# Altium PCB PCB_control_unit_2.PcbDoc (part 2 of 2)
Units mm, origin at the board's own origin, x right, y up, seen from the top; angles counter-clockwise.
Board outline 61.5 x 45 mm, 4 copper layers (Top Layer, INT1, INT2, Bottom Layer), stack 1.422 mm thick; 111 components, 75 nets, 374 pads, 137 vias.
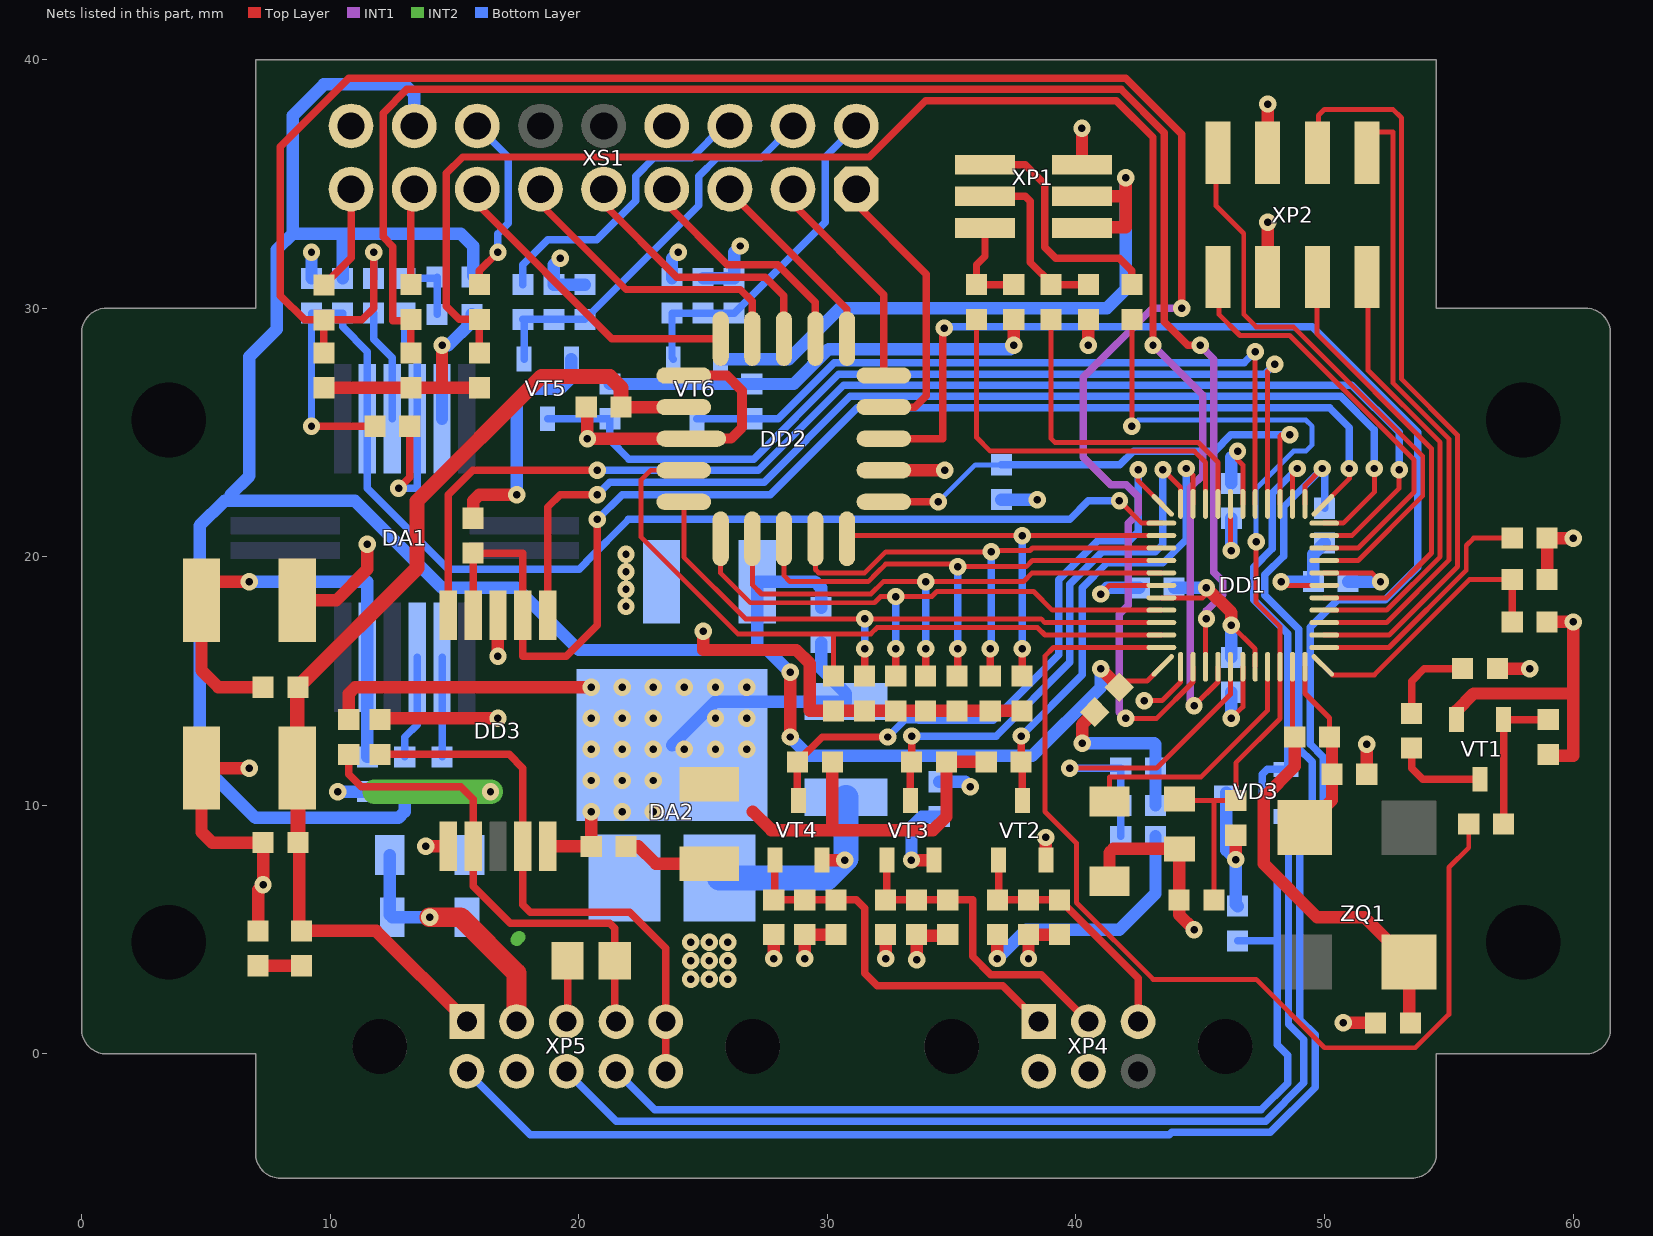
[diagram p4: the nets of this part, all layers, seen from the top]

## Part data
C1 C30: library part Tantal_A, Manufacturer=Элеконд, Package="case A (3216)", PartNumber="К53-68 \"А\"-10 В-4.7 мкф", Temperature=-55...+125°C, Tolerance=±10%, TypeCapacitor="Tantalum capacitor", TypeDielectric=X7R, Voltage=10V, HelpURL=https://www.digikey.com/product-detail/en/avx-corporation/F930J107KAAAJ6/478-12404-1-ND/9645231, Impedance=2Ohm, MAX=00130629, ValueManufacturerPartNumber="Tantalum capacitor, 4.7мк, 10V, ±10%, 2Ohm, case A (3216), -55...+125°C"
C2 C3: library part Ceramic_0603, Manufacturer=Монолит, Package=0603, PartNumber="К10-84в-1608М-50В-10 пФ ±5%-МП0-N-A", Temperature=-55...+125°C, Tolerance=±5%, TypeCapacitor="Ceramic capacitor", TypeDielectric=МП0, Voltage=50V, Analog="00133079 (pin-to-pin)", ValueManufacturerPartNumber="Ceramic capacitor, 10, МП0, ±5%, 50V, 0603, -55...+125°C"
C4 C5 C6 C7 C9 C10 C11 C13 C14 C15 C18 C22 C27: library part Ceramic_0603, Manufacturer=Гириконд, Package=0603, PartNumber="К10-79-10В-0,1 мкФ +80-20% H90", Temperature=-55...+125°C, Tolerance=+80-20%, TypeCapacitor="Ceramic capacitor", TypeDielectric=H90, Voltage=10V, HelpURL=http://www.giricond.ru/files/k10-79_vp_2018_saiyt.pdf, ValueManufacturerPartNumber="Ceramic capacitor, 0.1мк, H90, +80-20%, 10V, 0603, -55...+125°C"
  C4 C5 C6 C7 C9 C10 C11 C13 C14: MAX=00131675
C8: library part Ceramic_5750M, Manufacturer=Монолит, Package="0805 (2012M)", PartNumber="К10-84в-1608М-25В-220 нФ +80/-20%-Н90-N-A", Temperature=-55...+125°C, Tolerance=+80/-20%, TypeCapacitor="Ceramic capacitor", TypeDielectric=H90, Voltage=25V, Analog="MAX 00131682 (pin-to-pin)", ValueManufacturerPartNumber="Ceramic capacitor, 0.22мк, H90, +80/-20%, 25V, 0805 (2012M), -55...+125°C"
C12 C19 C25 C26 C28 C31 C32: library part Ceramic_0603, Manufacturer=Монолит, Package=0603, PartNumber="К10-84в-1608М-50В-0.01мк ±20%-Н20-N-A", Temperature=-55...+125°C, Tolerance=±20%, TypeCapacitor="Ceramic capacitor", TypeDielectric=H20, Voltage=50V, Analog="MAX 00131676 (pin-to-pin)", HelpURL=http://www.monolit.vitebsk.by/Files/K10-84.pdf, ValueManufacturerPartNumber="Ceramic capacitor, 0.01мк, H20, ±20%, 50V, 0603, -55...+125°C"
C16 C17 C23 C24: library part Ceramic_1812, Manufacturer=Монолит, Package="1812 (4532М) (4.5x3.2)", PartNumber="К10-84в-4532М-25В-4,7 мкФ +80/-20%-Н90-N-A", Temperature=-55...+125°C, Tolerance="+80 -20%", TypeCapacitor="Ceramic capacitor", TypeDielectric=H90, Voltage=25V, HelpURL=http://www.monolit.vitebsk.by/Files/K10-84.pdf, ValueManufacturerPartNumber="Ceramic capacitor, 4.7мк, H90, +80 -20%, 25V, 1812 (4532М) (4.5x3.2), -55...+125°C"
C20: library part Ceramic_0603, Manufacturer=Монолит, Package="1206 (3216M)", PartNumber="К10-84в-3216М-25В-0,47 мкФ ±10%-Н90-N-A", Tolerance=±10%, TypeCapacitor="Ceramic capacitor", TypeDielectric=Н90, Voltage=25V, Analog="MAX 00150226", HelpURL=http://www.monolit.vitebsk.by/Files/K10-84.pdf, ValueManufacturerPartNumber="Ceramic capacitor, 0.47мк, Н90, ±10%, 25V, 1206 (3216M),"
C21: library part Tantal_B, Manufacturer="\"Элеконд\"", Package="case B (3528)", PartNumber="К53-68 В-10 В-15 мкФ ±10%", Temperature=-55...+125°C, Tolerance=±10%, TypeCapacitor="Tantalum capacitor", Voltage=10V, MAX=00130628, ValueManufacturerPartNumber="Tantalum capacitor, 15мк, 10V, ±10%, , case B (3528), -55...+125°C"
DA1: library part 5545СА2У3, "Comparator USSR", Manufacturer="НПП ВОСТОК", Package=Н04.16-1В, Temperature=-60...+125°C, Analog=LM2903D, ComponentType="IC comparator", HelpURL=http://www.vostok.nsk.su/files/pdf/152181836987_5545ca2u3.pdf, OutputType="Open Drain", PartNumber=5545СА2У3, Supply="от ± 1,5В до ± 16,5В", TY="АЕЯР.431350.632-02 ТУ", ValueManufacturerPartNumber="IC comparator, Open Drain, от ± 1,5В до ± 16,5В, -60...+125°C, Н04.16-1В"
DA2: library part 1325ЕР1У, "Linear voltage regulator 3V3", CurrentOutput=0.8A, Manufacturer=Интеграл, Package=КТ-93-1, PartNumber=1325ЕН3.3У, Temperature=-40...+85°C, VoltageInput="input 4.75...15V", VoltageOutput="output 3.3V", ComponentType="Linear voltage regulator", HelpURL=https://www.integral.by/sites/default/files/pdf/specifikaciya_serii_1325.pdf, MAX=00141284, MaxDropout=1.3V, ValueManufacturerPartNumber="Linear voltage regulator, input 4.75...15V, 1.3V, output 3.3V, 0.8A, -40...+85°C, КТ-93-1"
DD1: library part 1921ВК035, "Cortex-M4F", Manufacturer=НИИЭТ, Package="48-QLCC (МК 5162.48-1)", Temperature=-60...+85°C, ComponentType="Motor control microcontroller", CoreProcessor=RISC, CoreSize=32-Bit, HelpURL=https://niiet.ru/goods/tranzmod/newtr, MemoryRAM=16KB, MemoryROM=64KB, PartNumber=1921ВК035, Speed=100MHz, Supply="3,3 В ± 10 %.", ValueManufacturerPartNumber="Motor control microcontroller, 32-Bit, RISC, 100MHz, 64KB, 16KB, 3,3 В ± 10 %., -60...+85°C, 48-QLCC (МК 5162.48-1)"
DD2: library part 5514БЦ1У2-541, "USSR Buffer QFN", Manufacturer=Анстрем, Package=5121.20-A, Temperature=-60...+125°C, Analog="функц.-й аналог 74(54)HC 541", ComponentType="8 канальный буфер", PartNumber=5514БЦ1У2-541, Supply=4.5..5.5V, ValueManufacturerPartNumber="8 канальный буфер, 4.5..5.5V, -60...+125°C, 5121.20-A"
DD3: "RS485 USSR", Manufacturer=Миландр, Package=Н02.8-1В, DataRate="30 Mbs", HelpURL=https://ic.milandr.ru/products/interfeysnye_mikroskhemy/rs485-rs422/5559in28u/, MAX=00148111, PartNumber=5559ИН28У, Supply=3-5V, Type="RS-485 transceiver"
L1 L2: library part Inductor_0603, Manufacturer=ЭРКОН, MaxCurrent=400mA, Package=0603, PartNumber="КИФ1608-1000 нГн ±20% О-А РКМУ.671340.002 ТУ", Temperature=-55...+125°C, Tolerance=±20%, TypeInductor="Fixed inductor", HelpURL=https://www.erkon-nn.ru/catalog/14/kif-vp/, R="0,8 Ом", ValueManufacturerPartNumber="Fixed inductor, 1мк, ±20%, 0603, 400mA, -55...+125°C"
NT1: library part NetTie
R1: library part Resistor_0603, Manufacturer="ОАО Ресурс", Package=0603, PartNumber="Р1-12-0,1ум.-1~МОм ±5%-М ШКАБ.434110.002 ТУ", Power=0.1W, Temperature=-55...+125°C, Tolerance=±5%, TypeResistor="Resistor film", HelpURL=https://aoresurs.com/catalog/chip_rezistory/rezistory-r1-12-kategoriya-kachestva-vp-/, MAX=00133970, ValueManufacturerPartNumber="Resistor film, 1М, ±5%, 0603, 0.1W, -55...+125°C"
R2 R4 R6: library part Resistor_0603, Manufacturer="ОАО Ресурс", Package=0603, PartNumber="Р1-12-0,1ум.-22~Ом ±5%-М ШКАБ.434110.002 ТУ", Power=0.1W, Temperature=-55...+125°C, Tolerance=±5%, TypeResistor="Resistor film", HelpURL=https://aoresurs.com/catalog/chip_rezistory/rezistory-r1-12-kategoriya-kachestva-vp-/, MAX=00134024, ValueManufacturerPartNumber="Resistor film, 22, ±5%, 0603, 0.1W, -55...+125°C"
R3: library part Resistor_0603, Manufacturer="ОАО Ресурс", Package=0603, PartNumber="Р1-12-0,1ум.-680~Ом ±5%-М ШКАБ.434110.002 ТУ", Power=0.1W, Temperature=-55...+125°C, Tolerance=±5%, TypeResistor="Resistor film", HelpURL=https://aoresurs.com/catalog/chip_rezistory/rezistory-r1-12-kategoriya-kachestva-vp-/, MAX=00134086, ValueManufacturerPartNumber="Resistor film, 680, ±5%, 0603, 0.1W, -55...+125°C"
R5 R7 R8 R9 R11 R12 R13 R14 R15 R16 R17 R20 R22 R25 R26 R29 R32 R33 R35 R36 R38 R39 R40 R41 R45 R47 R49 R50 R50 R51 R52 R54*: library part Resistor_0603, Manufacturer="ОАО Ресурс", Package=0603, PartNumber="Р1-12-0,1ум.-10~кОм ±5%-М ШКАБ.434110.002 ТУ", Power=0.1W, Temperature=-55...+125°C, Tolerance=±5%, TypeResistor="Resistor film", HelpURL=https://aoresurs.com/catalog/chip_rezistory/rezistory-r1-12-kategoriya-kachestva-vp-/, ValueManufacturerPartNumber="Resistor film, 10k, ±5%, 0603, 0.1W, -55...+125°C"
  R5 R7 R8 R9 R50 R51: Analog="MAX 00133985"
  R11 R12 R13 R14 R15 R16 R17 R20 R22 R25 R26 R29 R32 R33 R35 R36 R38 R39 R40 R41 R45 R47 R49 R50 R52 R54*: Analog="MAX 00133986 (1%)"
R10 R53: library part Resistor_0603, Manufacturer="ОАО Ресурс", Package=0603, PartNumber="Р1-12-0,1ум.-100~кОм ±5%-М ШКАБ.434110.002 ТУ", Power=0.1W, Temperature=-55...+125°C, Tolerance=±5%, TypeResistor="Resistor film", Analog="MAX 00122851", HelpURL=https://aoresurs.com/catalog/chip_rezistory/rezistory-r1-12-kategoriya-kachestva-vp-/, ValueManufacturerPartNumber="Resistor film, 100k, ±5%, 0603, 0.1W, -55...+125°C"
R18 R21 R24: library part Resistor_0603, Manufacturer="ОАО Ресурс", Package=0603, PartNumber="Р1-12-0,1ум.-100~Ом ±5%-М ШКАБ.434110.002 ТУ", Power=0.1W, Temperature=-55...+125°C, Tolerance=±5%, TypeResistor="Resistor film", HelpURL=https://aoresurs.com/catalog/chip_rezistory/rezistory-r1-12-kategoriya-kachestva-vp-/, MAX=00133991, ValueManufacturerPartNumber="Resistor film, 100, ±5%, 0603, 0.1W, -55...+125°C"
R19 R27 R30 R31 R34 R37 R42 R44 R46 R48: library part Resistor_0603, Manufacturer="ОАО Ресурс", Package=0603, PartNumber="Р1-12-0,1ум.-1~кОм ±1%-М ШКАБ.434110.002 ТУ", Power=0.1W, Temperature=-55...+125°C, Tolerance=±1%, TypeResistor="Resistor film", HelpURL=https://aoresurs.com/catalog/chip_rezistory/rezistory-r1-12-kategoriya-kachestva-vp-/, MAX=00133971, ValueManufacturerPartNumber="Resistor film, 1k, ±1%, 0603, 0.1W, -55...+125°C"
R23: library part Resistor_0603, Manufacturer="ОАО Ресурс", Package=0603, PartNumber="Р1-12-0,1ум.-4.02~кОм ±1%-М ШКАБ.434110.002 ТУ", Power=0.1W, Temperature=-55...+125°C, Tolerance=±1%, TypeResistor="Resistor film", HelpURL=https://aoresurs.com/catalog/chip_rezistory/rezistory-r1-12-kategoriya-kachestva-vp-/, MAX=00134054, ValueManufacturerPartNumber="Resistor film, 4.02k, ±1%, 0603, 0.1W, -55...+125°C"
R28: library part Resistor_0603, Manufacturer="ОАО Ресурс", Package=0603, PartNumber="Р1-12-0,1ум.-680~кОм ±5%-М ШКАБ.434110.002 ТУ", Power=0.1W, Temperature=-55...+125°C, Tolerance=±5%, TypeResistor="Resistor film", HelpURL=https://aoresurs.com/catalog/chip_rezistory/rezistory-r1-12-kategoriya-kachestva-vp-/, MAX=00134086, ValueManufacturerPartNumber="Resistor film, 680, ±5%, 0603, 0.1W, -55...+125°C"
R43: library part Resistor_0805, Manufacturer=Русские, Package=0805, PartNumber="Р1-12-0.125-120 Ом±5%-М", Power=0.125W, Temperature=-55...+125°C, Tolerance=±5%, TypeResistor="Resistor film", MAX=00133848, ValueManufacturerPartNumber="Resistor film, 120, ±5%, 0805, 0.125W, -55...+125°C"
RES: library part Jumper_single, Manufacturer="ОАО \"Карачевский завод \"Электродеталь\"", PartNumber=СНП377-2ВП21-1-02-04, Analog="MAX 00148900 (PLS2-2)", CommentText=reset, HelpURL=http://www.elektrodetal.com/product/soediniteli-dlya-pechatnyh-plat/snp377.html, MAX=00124338, Pitch=2mm, Type="штыри 2 пина в отв."
SRV: library part Jumper_single, Manufacturer="ОАО \"Карачевский завод \"Электродеталь\"", PartNumber="СНП391-2ВП21-1 РЮМК.430420.036 ТУ", Analog="PLL1.27 (MAX 00150250 с доработкой до 2 пинов)", CommentText="Erase FLASH", HelpURL=http://www.elektrodetal.com/product/soediniteli-dlya-pechatnyh-plat/snp377.html, Pitch=1.27mm, Type="штыри 2 пина в отв."
VD1 VD2: library part LED_single, Color=GREEN, Current="20mA max", Manufacturer=Протон, Package=1608, PartNumber=ИПД169А9-Л, Temperature=-55...+150°C, VoltageDrop="2.1V typ", Analog="MAX 00129484 КР-1608 Kingbright (pin-to-pin)", TypeDiode=LED, ValueManufacturerPartNumber="LED, 20mA max, 2.1V typ, 1608, -55...+150°C"
  VD1: CommentText=TEST
  VD2: CommentText=5V
VD3: library part Diode_array2, Current=200mA, Manufacturer=Россия, Package=SOT-23, PartNumber=2Д803АС9, Voltage=50V, VoltageDrop=1.1V, HelpURL=https://www.chipdip.ru/product/2d803as9, MAX=00122900, TypeDiode="Diode array common anode", ValueManufacturerPartNumber="Diode array common anode, 50V, 200mA, 1.1V, , SOT-23,"
VT1 VT2 VT3 VT4 VT5 VT6: library part BJT_NPN_132, CurrentCE=100mA, CurrentGain=500, Manufacturer="ООО НПК Далекс", MaxPower=300mW, Package="SOT-23 (КТ-46)", PartNumber=2Т3130Б9, Temperature=-55...+125°C, VoltageCE=30V, VoltageSaturation=0.7V, HelpURL=http://www.radioman-portal.ru/sprav/pp/transisters/sourse/2t3130.pdf, MAX=00123842, TypeTransistor="NPN transistor", ValueManufacturerPartNumber="NPN transistor, 30V, 100mA, , 300mW, 0.7V, 500, SOT-23 (КТ-46), -55...+125°C"
XP1: library part PLLD1.27-6_1, "аналог СНП391-6ВП41-2", CurrentMax=1A, Manufacturer=Электроделать, PartNumber="СНП391-6ВП41-2 РЮМК.430420.036 ТУ", VoltageMax=125VAC, Analog="MAX 00130684 c доработкой до 6 пинов", CommentText=СНП391, HelpURL=https://www.elektrodetal.com/catalog/snp391/, Multichannel=6pin, Pitch=1.27mm, TypeConnector=Connector, ValueManufacturerPartNumber="Connector, 6pin, 1.27mm, 125VAC, 1A"
XP2: library part PLD2-8-S, "СНП377-8ВП41-2 SMD", Manufacturer="ОАО \"Карачевский завод \"Электродеталь\"", PartNumber=СНП377-8ВП41-2, Analog=PLD2-8-S, HelpURL=https://www.elektrodetal.com/catalog/snp377/, Pitch=2mm, TU="РЮМК.430420.017 ТУ", Type=Вилка
XP4: library part "M80-5000605 Harwin", "вилка на плату", CurrentMax=1.5A, Manufacturer=Электроделать, PartNumber=СНП401-6ВП21-3-1-1, VoltageMax=120VAC, Analog="MAX 00126397 (M80-5000605 pin-to-pin)", CommentText=СНП401, HelpURL=https://eu.mouser.com/ProductDetail/Harwin/M80-5000605?qs=yQtJ9TWM%2F1KaJIUUBEXorg%3D%3D, Multichannel=6pin, Pitch=2mm, TypeConnector=Вилка, ValueManufacturerPartNumber="Вилка, 6pin, 2mm, 120VAC, 1.5A"
XP5: library part "M80-5001005 Harwin", "вилка на плату", CurrentMax=1.5A, Manufacturer=Электродеталь, PartNumber=СНП401-10ВП21-3-1-1, VoltageMax=100V, Analog="MAX 00126377 (M80-5001042 pin-to-pin)", CommentText=СНП401, HelpURL=https://eu.mouser.com/ProductDetail/Harwin/M80-5001005?qs=yQtJ9TWM%2F1KRz59nPe3lqQ%3D%3D, Multichannel=10pin, Pitch=2mm, TypeConnector=Вилка, ValueManufacturerPartNumber="Вилка, 10pin, 2mm, 100V, 1.5A"
XS1: library part PBD-18, CurrentMax=3A, Manufacturer=Электродеталь, PartNumber="СНП393-18РП21-2 РЮМК.430420.035 ТУ", VoltageMax=500VAC, Analog="MAX 00135030 с доработкой до 18-pin", CommentText=СНП393, HelpURL=https://www.elektrodetal.com/catalog/snp393/, Multichannel=18pin, Pitch=2.54mm, TypeConnector=Connector, ValueManufacturerPartNumber="Connector, 18pin, 2.54mm, 500VAC, 3A"
ZQ1: library part Oscilator_5070, Frequency=12MHz, LoadCapacitance=CMOS, Manufacturer="ОАО \"Морион\"", Package="case 5070", PartNumber="SMD РК386М-Т1-4ВН-12М-В 6321-004-07614320-96 ТУ", Temperature=-40...+85°C, Tolerance=±30ppm, HelpURL=http://www.morion.com.ru/rus/crystals/, MAX=00149842, TypeOscilator=Oscilator, ValueManufacturerPartNumber="Oscilator, 12MHz, CMOS, ±30ppm, case 5070, -40...+85°C"

## Free pads (board coordinates)
  round 0 hole 3 slot 5 at 90 deg unplated mask+0.2: 1(3.5,4.5) 1(58,4.5) 1(58,25.5)
  round 2.7 hole 3 slot 5 at 90 deg unplated mask+0.2: 1(3.5,25.5)

## Via types
v1: diameter 0.7, hole 0.3, Top Layer to Bottom Layer, tented both sides, 137 vias

## Nets (pads, with @x,y where several pads share a name; then routed paths per layer and width w, separated by ;. In a path a pad name is that pad's centre, name@x,y a point inside that pad or via, vN(x,y) a via of type N, cw(c..) or ccw(c..) an arc to the next point about the centre after c; other vN are vias at no path point)
5VTEST: C18.2 DD1.29 R27.2 R31.1 | length 13.6
  Top Layer w0.2: v1(39.75,11.5) 43.25,11.5 46.211,14.461 DD1.29@46.211,15.575
  Bottom Layer w0.3: v1(39.75,11.5) C18.2@41.8,11.5 R27.2@41.8,8.75
15DC_IN: R24.1 XS1.14 | length 7.4
  Top Layer w0.3: R24.1@16,30.95 16,31.5 v1(16.75,32.25)
  Bottom Layer w0.3: XS1.14@15.92,37.33 17.17,36.08 17.17,33.42 16.75,33 v1(16.75,32.25)
15VTEST: C14.2 DD1.28 R24.2 | length 64.4
  Top Layer w0.2: v1(44.75,14) 45.711,14.961 DD1.28@45.711,15.575
  Top Layer w0.3: C14.2@16,28.2 R24.2@16,29.55 15.2,29.55 14.67,30.08 14.67,35.42 15.33,36.08 31.678,36.08 33.948,38.35 41.627,38.35 43.1,36.877 v1(43.1,28.5)
  INT1 w0.3: v1(43.1,28.5) 45.094,26.506 45.094,23.281 44.6,22.786 44.6,14.15 v1(44.75,14)
+3.3V(A): C9.2 C24.2 DD1.24 L2.1 R19.1 R20.1 R25.2 XS1.16 | length 106.5
  Top Layer w0.2: C9.2@42,15 42.861,15 DD1.24@43.491,15.63
  Top Layer w0.5: v1(28.5,12.75) v1(28.5,15.35) ; v1@41,15.49 C9.2@41.745,14.745 C9.2@41.745,14.755
  Bottom Layer w0.5: 6,22.5 6.75,23.25 6.75,28.05 7.85,29.15 7.85,32.35 8.5,33 ; R20.1@10.5,31.2 10.5,33 ; R25.2@13,10.55 13,9.75 12.75,9.5 7,9.5 4.75,11.75 4.75,21.25 5.75,22.25 11,22.25 14.5,18.75 17.5,18.75 20,16.25 27.175,16.25 ; XS1.16@13.38,37.33 13.38,38.62 13,39 9.75,39 8.5,37.75 8.5,33 ; R19.1@15.75,31.3 15.75,32.5 15.25,33 10.5,33 ; v1(28.5,12.75) 29.25,12 38.25,12 41,14.75 v1(41,15.5) ; v1(28.5,15.35) 27.6,16.25 27.175,16.25 ; L2.1@29.75,17.95 29.75,18.75 29.5,19 C24.2@27.175,19 27.175,16.25 ; 8.5,33 10.5,33
+3.3V(D): C4.2 C5.2 C6.2 C7.2 C21.2 C22.2 C23.2 C27.1 DA2.1 DD1.7 DD1.19 DD1.31 DD1.42 DD3.8 L2.2 R3.1 R9.1 R10.2 R29.1 R33.1 R36.1 R38.1 R39.1 R41.1 R44.1 R47.1 R50.1@37.5,29.55 SRV.1 VD3.3 XP1.2 XP2.3 | length 88.8
  Top Layer w0.2: DD1.19@43.436,18.35 45.1,18.35 45.25,18.5 v1(45.25,18.75) ; DD1.7@46.211,22.125 46.211,20.289 v1(46.25,20.25) ; v1(46.25,17.25) 47.211,16.289 DD1.31@47.211,15.575 ; v1(48.25,19) 48.4,18.85 DD1.42@49.986,18.85
  Top Layer w0.5: R44.1@10.75,13.45 10.75,14.5 11,14.75 v1(20.5,14.75) ; DD3.8@18.75,8.35 C27.1@20.5,8.35 v1(20.5,9.75) ; 27,9.75 27.75,9 34.25,9 34.792,9.542 R33.1@34.792,11.75 R29.1@36.392,11.75 ; 30.2,9.05 R36.1@30.2,11.75 ; v1(37.5,28.5) R50.1@37.5,29.55 ; XP1.2@40.242,35.77 v1(40.242,37.242) ; v1(45.25,18.75) 46.25,17.75 v1(46.25,17.25) ; v1(46.429,7.821) R10.2@46.429,8.8 ; XP2.3@47.711,31.25 v1(47.711,33.461) ; R3.1@56.95,15.5 v1(58.25,15.5) ; SRV.1@58.95,19.089 R9.1@58.95,20.75 v1(60,20.75)
  Bottom Layer w0.5: R41.1@21.25,26.95 R47.1@26.961,26.95 28.649,26.95 30.049,28.35 37.35,28.35 v1(37.5,28.5) ; DA2.1@23.75,12.425 25.5,14.175 C23.2@30.75,14.175 30.75,14.5 29.75,15.5 L2.2@29.75,16.55 ; C22.2@34.5,10.95 35.55,10.95 v1(35.75,10.75) ; C4.2@43.95,18.75 v1(45.25,18.75) ; VD3.3@46.05,10.5 46.05,8.2 v1(46.429,7.821) 46.429,6.021 R39.1@46.5,5.95 ; C7.2@46.25,15.95 v1(46.25,17.25) ; v1(46.25,20.25) C5.2@46.25,21.55 ; v1(48.25,19) C6.2@49.55,19 49.55,20.1 R38.1@50,20.55
  other v1: 21.75,9.75 23,9.75 20.5,11 21.75,11 23,11 20.5,12.25 21.75,12.25 23,12.25 24.25,12.25 25.5,12.25 26.75,12.25 20.5,13.5 21.75,13.5 23,13.5 25.5,13.5 26.75,13.5 21.75,14.75 23,14.75 24.25,14.75 25.5,14.75 26.75,14.75
+5V(A): C11.2 C17.2 DA1.14 L1.1 | length 18.6
  Top Layer w0.5: C17.2@4.825,18.25 4.825,15.425 5.5,14.75 L1.1@7.3,14.75 ; 5.575,19 v1(6.75,19)
  Bottom Layer w0.5: v1(6.75,19) 11.5,19 DA1.14@11.5,15.95 C11.2@11.5,11.95
+5V(D): C10.2 C15.2 C16.2 C20.2 C30.1 DA2.2 DD2.20 L1.2 R27.1 R28.1 R30.1 R34.1 R37.1 R42.1 R48.1 XP4.4 XP5.1 XS1.6 | length 66.9
  Top Layer w0.5: C15.2@8.7,8.5 8.75,8.45 R28.1@8.75,5.05 ; R28.1@8.85,4.95 11.85,4.95 XP5.1@15.5,1.3 ; C10.2@21.7,26.02 DD2.20@24.225,26.02 ; v1(27.842,3.839) R37.1@27.842,4.8 ; v1(32.342,3.839) R34.1@32.342,4.8 ; v1(36.842,3.839) R30.1@36.842,4.8
  Top Layer w0.6: L1.2@8.675,14.725 C16.2@8.675,11.5 8.7,11.475 C15.2@8.7,8.5 ; L1.2@8.7,14.75 13.5,19.55 13.5,22.25 18.5,27.25 21.25,27.25 21.7,26.8 C10.2@21.7,26.02
  Bottom Layer w0.3: R42.1@17.75,30.95 17.75,31.75 18.75,32.75 20.728,32.75 22.29,34.312 22.29,35.308 23.022,36.04 24.54,36.04 25.83,37.33 XS1.6@26.08,37.33
  Bottom Layer w0.5: R48.1@23.75,31.2 23.75,32 v1(24,32.25) ; v1(36.842,3.839) 38.003,5 41.75,5 43.2,6.45 R27.1@43.2,8.75
\R\E\S\E\T\: C8.2 DD1.33 R6.1 R10.1 RES.2 | length 35.1
  Top Layer w0.2: v1(42.25,25.25) R6.1@42.25,29.55 ; C8.2@44.171,10.25 44.221,10.2 45.5,10.2 ; RES.2@45.55,6.2 45.55,10.15 45.5,10.2 ; v1(47.25,20.6) 47.25,18.152 48.211,17.191 DD1.33@48.211,15.575 48.211,13.494 46.429,11.712 R10.1@46.429,10.2 45.5,10.2
  Bottom Layer w0.2: 42.5,25.5 49.25,25.5 49.5,25.25 49.5,24.5 49.25,24.25 48.751,24.25 47.25,22.749 v1(47.25,20.6)
A_P: DD3.6 R43.2 R44.2 XP5.7 | length 19.9
  Top Layer w0.3: R44.2@10.75,12.05 10.75,11.25 11.25,10.75 15.25,10.75 15.75,10.25 DD3.6@15.75,8.35 15.75,6.75 17.25,5.25 21.25,5.25 21.45,5.05 R43.2@21.45,3.75 21.45,1.35 XP5.7@21.5,1.3
ADR0: DD1.1 R38.2 VD3.2 XP5.6 | length 62
  Top Layer w0.2: DD1.1@49.211,22.125 49.211,22.861 v1(49.9,23.55)
  Bottom Layer w0.3: XP5.6@19.5,-0.7 21.5,-2.7 47.631,-2.7 49.169,-1.162 49.169,0.581 48.55,1.2 48.55,9.45 VD3.2@48.45,9.55 49.05,9.55 49.5,10 49.5,11.75 48.969,12.281 48.969,17.086 47.6,18.456 47.6,19.269 48.35,20.019 48.35,22 v1(49.9,23.55) 50,23.45 R38.2@50,21.95
ADR1: DD1.2 R39.2 VD3.1 XP5.8 | length 58.5
  Top Layer w0.2: DD1.2@48.711,22.125 48.711,23.361 v1(48.9,23.55)
  Bottom Layer w0.3: XP5.8@21.5,-0.7 23.05,-2.25 47.445,-2.25 48.519,-1.176 48.519,-0.05 48.1,0.369 48.1,4.5 ; R39.2@46.5,4.55 48.05,4.55 48.1,4.5 ; v1(48.9,23.55) 47.9,22.55 47.9,20.331 47.15,19.581 47.15,18.269 48.519,16.9 48.519,11.519 VD3.1@48.45,11.45 47.7,11.45 47.5,11.25 47.5,7.75 48.1,7.15 48.1,4.5
AGND: C9.1 C11.1 C12.2 C13.1 C14.1 C17.1 C18.1 C24.1 C32.2 DA1.6 DD1.25 NT1.2 R23.2 R26.2 R31.2 XS1.18 | length 35.2
  Top Layer w0.2: v1(42.75,14.211) 43.461,14.211 44.211,14.961 DD1.25@44.211,15.575 DD1.25@44.2,15.564
  Top Layer w0.5: C17.1@8.675,18.25 10.25,18.25 11.5,19.5 v1(11.5,20.5) ; C12.2@9.75,26.8 C13.1@13.25,26.8 14.5,26.8 ; v1(14.5,28.5) 14.5,26.8 ; C14.1@16,26.8 14.5,26.8 ; v1(40.25,12.5) 40.25,13.25 C9.1@40.755,13.755
  INT2 w0.5: 17.5,4.6 17.6,4.7
  INT2 w1: 11.8,10.55 v1(16.45,10.55)
  Bottom Layer w0.5: C32.2@9.25,31.2 v1@9.25,32 ; v1(10.3,10.55) C11.1@11.5,10.55 ; R26.2@14.5,10.55 v1(16.45,10.55) ; DA1.6@14.5,25.55 v1(14.5,28.5) 14.75,28.5 15.7,29.45 R23.2@15.7,29.75 ; v1(40.25,12.5) 43.15,12.5 43.2,12.45 R31.2@43.2,10
  other v1: 21.9,18 21.9,18.7 21.9,19.4 21.9,20.1 9.25,32.25
B_N: DD3.7 R46.1 XP5.9 XP5.10 | length 22.9
  Top Layer w0.3: R46.1@12,12.05 17.2,12.05 17.75,11.5 DD3.7@17.75,8.35 17.75,6 18.05,5.7 22.05,5.7 23.5,4.25 XP5.9@23.5,1.3 XP5.10@23.5,-0.7
DC_MOSFET: DD2.11 XP5.2 | length 93.7
  Top Layer w0.3: DD2.11@32.275,24.75 34.65,24.75 v1@34.65,29.2
  Bottom Layer w0.3: XP5.2@15.5,-0.7 18.05,-3.25 43.75,-3.25 43.85,-3.15 47.818,-3.15 49.619,-1.349 49.619,0.767 49,1.386 49,8.95 49.086,8.95 49.95,9.814 49.95,11.936 49.419,12.467 49.419,17.169 50.525,18.275 52.444,18.275 53.75,19.581 53.75,25 49.5,29.25 v1@34.75,29.25
  other v1: 34.7,29.2
DC_MOSFET_TTL: DD1.3 DD2.9 R17.1 | length 20.6
  Top Layer w0.2: DD1.3@48.211,22.125 48.211,24.861 48.25,24.9 v1(48.6,24.9)
  Top Layer w0.3: DD2.9@32.275,22.21 v1(34.46,22.21)
  Bottom Layer w0.2: v1(34.46,22.21) 35.95,23.7 R17.1@37,23.7
  Bottom Layer w0.3: R17.1@37,23.7 41.766,23.7 42.316,24.25 45.581,24.25 46.231,24.9 v1(48.6,24.9)
DE1(RS): DD1.48 DD3.2 DD3.3 R50.1@15.75,20.15 | length 52.3
  Top Layer w0.2: DD1.48@49.931,22.07 51,23.139 v1(51,23.55)
  Top Layer w0.3: DD3.3@15.75,17.65 R50.1@15.75,20.15 17.75,20.15 DD3.2@17.75,17.65 17.75,16 19.5,16 20.75,17.25 v1(20.75,21.5)
  Bottom Layer w0.3: v1(20.75,21.5) 21.75,22.5 27.7,22.5 31.2,26 50.2,26 51,25.2 v1@51,23.706
DGND: C1.1 C2.2 C3.2 C4.1 C5.1 C6.1 C7.1 C8.1 C10.1 C15.1 C16.1 C19.2 C20.1 C21.1 C22.1 C23.1 C25.2 C26.2 C27.2 C28.2 C30.2 C31.2 DA2.3 DD1.6 DD1.18 DD1.30 DD1.43 DD2.1 DD2.10 DD2.19 DD3.5 DD3.9 NT1.1 R5.2 R8.1 R11.2 R12.2 R13.2 R14.2 R15.2 R16.2 R17.2 R32.1 R35.1 R40.1 R45.1 R46.2 R49.1 R50.2@15.75,21.55 R51.1 R54*.2 RES.1 VD2.2 VT1.2 VT2.2 VT3.2 VT4.2 VT5.2 VT6.2 XP1.4 XP1.6 XP2.4 XP4.2 XP5.3 XP5.4 XS1.8 | length 165.6
  Top Layer w0.2: v1(41,18.5) 41.35,18.85 DD1.18@43.436,18.85 ; v1(46.25,13.5) 46.711,13.961 DD1.30@46.711,15.575 ; v1(46.5,24.25) 46.5,23.9 46.711,23.689 DD1.6@46.711,22.125 ; DD1.43@49.986,19.35 51.9,19.35 v1(52.25,19)
  Top Layer w0.4: DD2.1@24.225,24.75 26.13,24.75 26.571,25.191 26.571,26.679 25.96,27.29 DD2.19@24.225,27.29
  Top Layer w0.5: v1(6.75,11.5) C16.1@4.825,11.5 4.825,8.925 5.25,8.5 C15.1@7.3,8.5 v1(7.3,6.8) 7.1,6.6 VD2.2@7.1,4.95 ; R46.2@12,13.45 12.05,13.5 v1(16.75,13.5) ; v1(13.85,8.35) DD3.5@14.75,8.35 ; R50.2@15.75,21.55 15.75,22.25 16,22.5 v1(17.5,22.5) ; v1(16.75,16) DD3.9@16.75,17.65 ; C10.1@20.3,26.02 20.35,25.97 v1(20.35,24.75) DD2.1@24.225,24.75 ; C27.2@21.9,8.35 22.4,8.35 23.1,7.65 C21.1@24.75,7.65 ; v1(25,17) 25,16.25 28.75,16.25 29.3,15.7 29.3,13.8 R11.2@30.25,13.8 R12.2@31.5,13.8 R54*.2@33.953,13.8 R14.2@35.217,13.8 R15.2@36.551,13.8 R16.2@37.837,13.8 ; v1(29.092,3.839) R40.1@29.092,4.8 C26.2@30.342,4.8 ; VT4.2@29.792,7.8 v1(30.7,7.8) ; DD2.10@32.295,23.5 DD2.10@32.275,23.48 v1(34.73,23.48) ; v1(33.384,7.8) VT3.2@34.292,7.8 ; v1(33.592,3.789) 33.592,4.75 C25.2@34.63,4.75 ; v1(38.092,3.839) R32.1@38.092,4.8 C19.2@39.342,4.8 ; VT2.2@38.792,7.8 v1(38.792,8.708) ; XP1.6@40.242,33.23 40.262,33.25 42,33.25 42,34.5 ; XP1.4@40.242,34.5 42,34.5 ; v1(40.5,28.5) R51.1@40.5,29.55 ; C1.1@41.35,6.95 41.35,8.1 41.5,8.25 C8.1@44.171,8.25 ; v1(42,35.25) 42,34.5 ; C8.1@44.15,8.229 RES.1@44.15,6.2 44.15,5.6 v1(44.75,5) ; XP2.4@47.711,36.25 v1(47.711,38.211) ; v1(50.75,1.25) C2.2@52.05,1.25 ; C3.2@51.7,11.25 v1(51.7,12.45) ; VT1.2@55.3,13.45 55.3,13.8 56,14.5 60,14.5 ; R5.2@58.95,17.377 v1(60,17.377) 60,14.5 ; R8.1@59,12.05 59.05,12 60,12 60,14.5
  Top Layer w0.8: v1(14,5.5) 15.25,5.5 17.5,3.25 XP5.3@17.5,1.3
  Bottom Layer w0.5: C30.2@12.4,8 12.4,5.6 C20.1@12.5,5.5 v1(14,5.5) ; v1(17.5,22.5) 17.5,26.25 18,26.75 19.25,26.75 19.7,27.2 VT5.2@19.7,27.95 ; v1(19.25,32) 19,31.75 R45.1@19,30.95 C28.2@20.25,30.95 ; R49.1@25,31.2 C31.2@26.25,31.2 26.25,32.25 v1(26.5,32.5) ; VT6.2@25.7,27.95 28.45,27.95 30.5,30 41.25,30 42,30.75 v1(42,35.25) ; v1(33.384,7.8) 33.384,9.134 33.8,9.55 C22.1@34.5,9.55 ; R17.2@37,22.3 v1(38.45,22.3) ; v1(41,18.5) 41.25,18.75 C4.1@42.55,18.75 ; v1(46.25,13.5) C7.1@46.25,14.55 ; C5.1@46.25,22.95 46.25,24 v1(46.5,24.25) ; C6.1@50.95,19 v1(52.25,19)
  Bottom Layer w1: DA2.3@25.655,7.075 29.975,7.075 v1(30.7,7.8) 30.75,7.85 C23.1@30.75,10.325
  other v1: 24.5,3 25.25,3 26,3 24.5,3.75 25.25,3.75 26,3.75 24.5,4.5 25.25,4.5 26,4.5
DI1(RS): DD1.46 DD3.4 | length 51.8
  Top Layer w0.2: DD1.46@49.986,20.85 51.1,20.85 53,22.75 v1(53,23.5)
  Top Layer w0.3: DD3.4@14.75,17.65 14.75,22.5 15.73,23.48 v1(20.75,23.48)
  Bottom Layer w0.3: v1(20.75,23.48) 27.23,23.48 30.65,26.9 51.1,26.9 53,25 v1(53,23.5)
HALL_A: DD1.10 R29.2 VT2.3 | length 19
  Top Layer w0.2: v1(44.444,23.55) 44.711,23.283 DD1.10@44.711,22.125
  Top Layer w0.3: v1(37.792,12.789) R29.2@37.792,11.75 R29.2@37.842,11.8 ; VT2.3@37.842,10.2 R29.2@37.842,11.7
  Bottom Layer w0.3: v1(37.792,12.789) 40.25,15.247 40.25,18.75 41.25,19.75 43.5,19.75 44.444,20.694 v1(44.444,23.55) v1@44.437,23.55
"HALL_A (5V)": C19.1 R30.2 R32.2 VT2.1 XP4.5 | length 10.3
  Top Layer w0.3: R30.2@36.842,6.2 C19.1@39.342,6.2 42.5,3.042 XP4.5@42.5,1.3 ; R30.2@36.892,6.25 VT2.1@36.892,7.8
HALL_B: DD1.11 R33.2 VT3.3 | length 22.3
  Top Layer w0.2: v1(43.5,23.5) 44.211,22.789 DD1.11@44.211,22.125
  Top Layer w0.3: VT3.3@33.342,10.2 R33.2@33.342,11.7 ; R33.2@33.392,11.75 v1(33.392,12.789)
  Bottom Layer w0.3: v1(33.392,12.789) 36.789,12.789 39.75,15.75 39.75,18.886 41.064,20.2 43.2,20.2 43.5,20.5 v1(43.5,23.5)
"HALL_B (5V)": C25.1 R34.2 R35.2 VT3.1 XP4.3 | length 13.1
  Top Layer w0.3: R34.2@32.342,6.2 R35.2@33.592,6.2 C25.1@34.842,6.2 35.842,6.2 35.842,3.919 36.573,3.189 38.611,3.189 XP4.3@40.5,1.3 ; R34.2@32.392,6.25 VT3.1@32.392,7.8
HALL_C: DD1.12 R36.2 VT4.3 | length 25.2
  Top Layer w0.2: v1(42.5,23.5) 42.5,23.061 DD1.12@43.491,22.07
  Top Layer w0.3: VT4.3@28.792,10.25 28.792,11.75 29.792,12.75 v1(32.434,12.75)
  Bottom Layer w0.3: v1(32.434,12.75) 33.123,13.439 33.661,13.439 33.675,13.425 36.675,13.425 39.3,16.05 39.3,19.073 40.877,20.65 42.15,20.65 42.5,21 v1(42.5,23.5)
"HALL_C (5V)": C26.1 R37.2 R40.2 VT4.1 XP4.1 | length 15.8
  Top Layer w0.3: VT4.1@27.892,7.8 27.892,6.2 R40.2@29.092,6.2 C26.1@30.342,6.2 31.16,6.2 31.5,5.86 31.5,3.25 32.011,2.739 37.061,2.739 XP4.1@38.5,1.3
HI1: DD2.18 XS1.13 | length 12
  Top Layer w0.3: XS1.13@15.92,34.19 21.335,28.775 DD2.18@25.71,28.775
HI1_TTL: DD1.22 DD2.2 R11.1 | length 28.7
  Top Layer w0.2: DD2.2@24.225,23.48 22.9,23.48 22.5,23.08 22.5,20.8 26.4,16.9 30.25,16.9 ; R11.1@30.25,15.2 30.25,16.9 ; DD1.22@43.436,16.85 38.755,16.85 38.455,17.15 31.999,17.15 31.749,16.9 30.25,16.9
HI2: DD2.16 XS1.9 | length 10.5
  Top Layer w0.3: XS1.9@21,34.19 23.94,31.25 27.5,31.25 28.25,30.5 DD2.16@28.25,28.775
HI2_TTL: DD1.20 DD2.4 R13.1 | length 23.3
  Top Layer w0.2: DD2.4@25.71,20.725 25.71,19.34 26.9,18.15 31.895,18.15 32.145,18.4 v1(32.745,18.4) 34.201,18.4 34.401,18.6 38.3,18.6 39.05,17.85 DD1.20@43.436,17.85
  Top Layer w0.3: R13.1@32.75,15.2 v1(32.75,16.299)
  Bottom Layer w0.3: v1(32.75,16.299) v1@32.75,18.395
HI3: DD2.14 XS1.5 | length 7.6
  Top Layer w0.3: XS1.5@26.08,34.19 26.56,34.19 30.79,29.96 DD2.14@30.79,28.775
HI3_TTL: DD1.16 DD2.6 R14.1 | length 21.8
  Top Layer w0.2: DD2.6@28.25,20.725 28.25,19.25 28.5,19 31.645,19 31.995,19.35 32.345,19.7 35.145,19.7 v1(35.245,19.6) 35.245,19.355 35.49,19.6 37.995,19.6 38.245,19.85 DD1.16@43.436,19.85
  Top Layer w0.3: R14.1@35.245,15.25 v1(35.245,16.299)
  Bottom Layer w0.3: v1(35.245,19.6) 35.245,16.404 v1@35.25,16.399
IDC: C12.1 DD1.26 R18.2 R22.1 | length 84.5
  Top Layer w0.2: v1(42,13.5) 43.25,13.5 44.711,14.961 DD1.26@44.711,15.575
  Top Layer w0.3: C12.1@9.75,28.2 R18.2@9.75,29.53 ; v1(11.75,32.25) 11.75,30 11.28,29.53 R18.2@9.75,29.53 ; v1(44.25,30) 44.25,37 42,39.25 10.75,39.25 8,36.5 8,30.5 8.97,29.53 R18.2@9.75,29.53
  INT1 w0.3: 41.75,13.75 41.75,17.694 42.1,18.044 42.1,21.35 42.5,21.75 42.5,22.419 42.019,22.9 41.4,22.9 40.3,24 40.3,27.219 43.081,30 v1(44.25,30) ; v1(42,13.5) v1@42.1,13.6
  Bottom Layer w0.3: R22.1@11.75,31.2 v1(11.75,32.25)
IDC_IN: R18.1 XS1.17 | length 4.5
  Top Layer w0.3: R18.1@9.75,30.93 10.84,32.02 XS1.17@10.84,34.79 XS1.17@11,34.63
LED: DD1.23 R7.2 | length 41.2
  Top Layer w0.2: DD1.23@43.436,16.35 39.1,16.35 38.75,16 38.75,9.75 40.017,8.483 40.017,6.091 43.108,3 47.25,3 50,0.25 53.654,0.25 55,1.596 55,7.5 55.8,8.3 R7.2@55.8,9.25
LIMIT_L: DD1.4 R41.2 VT5.3 | length 37.7
  Top Layer w0.2: DD1.4@47.711,22.125 47.711,27.461 v1(48,27.75)
  Bottom Layer w0.3: VT5.3@18.75,25.55 R41.2@21.25,25.55 21.25,24.7 22.02,23.93 27.044,23.93 30.464,27.35 47.6,27.35 v1(48,27.75)
"Limit_L (5V)": C28.1 R42.2 R45.2 VT5.1 XS1.4 | length 16.4
  Bottom Layer w0.3: VT5.1@17.8,27.95 17.8,29.5 R42.2@17.75,29.55 R45.2@19,29.55 C28.1@20.25,29.55 24.83,34.13 24.83,35.308 25.562,36.04 27.33,36.04 XS1.4@28.62,37.33
LIMIT_R: DD1.5 R47.2 VT6.3 | length 29.7
  Top Layer w0.2: DD1.5@47.211,22.125 v1(47.211,28.25)
  Bottom Layer w0.3: VT6.3@24.75,25.55 R47.2@26.961,25.55 28.027,25.55 30.277,27.8 46.761,27.8 v1(47.211,28.25)
"Limit_R (5V)": C31.1 R48.2 R49.2 VT6.1 XS1.2 | length 13.9
  Bottom Layer w0.3: VT6.1@23.8,27.95 23.75,28 R48.2@23.75,29.8 R49.2@25,29.8 C31.1@26.25,29.8 29.91,33.46 29.91,36.08 XS1.2@31.16,37.33
LO1: DD2.17 XS1.11 | length 11.6
  Top Layer w0.3: XS1.11@18.46,34.19 21.9,30.75 26.5,30.75 26.98,30.27 DD2.17@26.98,28.775
LO1_TTL: DD1.21 DD2.3 R12.1 | length 24.8
  Top Layer w0.2: DD2.3@24.225,22.21 24.225,19.983 26.708,17.5 v1(31.5,17.5) 38.6,17.5 38.75,17.35 DD1.21@43.436,17.35
  Top Layer w0.3: R12.1@31.5,15.2 v1(31.5,16.299)
  Bottom Layer w0.3: v1(31.5,16.299) v1(31.5,17.5)
LO2: DD2.15 XS1.7 | length 9.1
  Top Layer w0.3: XS1.7@23.54,34.19 25.98,31.75 28,31.75 29.52,30.23 DD2.15@29.52,28.775
LO2_TTL: DD1.17 DD2.5 R54*.1 | length 22.6
  Top Layer w0.2: DD2.5@26.98,20.725 26.98,18.87 27.35,18.5 31.75,18.5 32.25,19 v1(33.953,19) 37.89,19 38.24,19.35 DD1.17@43.436,19.35
  Top Layer w0.3: R54*.1@33.953,15.2 v1(33.953,16.299)
  Bottom Layer w0.3: v1(33.953,16.299) v1(33.953,19)
LO3: DD2.13 XS1.3 | length 8.4
  Top Layer w0.3: XS1.3@28.62,34.19 32.275,30.535 DD2.13@32.275,27.29
LO3_TTL: DD1.15 DD2.7 R15.1 | length 20.7
  Top Layer w0.2: DD2.7@29.52,20.725 29.52,19.48 29.65,19.35 31.5,19.35 32.35,20.2 36.444,20.2 36.6,20.044 v1(36.6,20.2) 36.65,20.25 38.15,20.25 38.25,20.35 DD1.15@43.436,20.35
  Top Layer w0.3: R15.1@36.551,15.25 v1(36.551,16.299)
  Bottom Layer w0.3: v1@36.556,16.399 36.6,16.443 v1(36.6,20.2)
NetC1_2: C1.2 DD1.32 | length 10.2
  Top Layer w0.2: C1.2@41.35,10.15 41.35,11.134 45.025,11.134 47.711,13.82 DD1.32@47.711,15.575
NetC2_1: C2.1 DD1.34 R1.2 ZQ1.1 | length 18.2
  Top Layer w0.2: DD1.34@48.711,15.575 48.711,12.839 R1.2@48.8,12.75
  Top Layer w0.5: R1.2@48.8,12.75 48.8,11.567 47.556,10.323 47.556,7.644 49.7,5.5 51.6,5.5 ZQ1.1@53.4,3.7 C2.1@53.4,1.5
NetC3_1: C3.1 DD1.35 R1.1 ZQ1.3 | length 7.4
  Top Layer w0.2: DD1.35@49.211,15.575 49.211,14.5 50.2,13.511 R1.1@50.2,12.75
  Top Layer w0.5: ZQ1.3@49.2,9.11 50.3,10.21 C3.1@50.3,11.25 50.3,12.65 R1.1@50.2,12.75
NetDA1_4: DA1.4 R22.2 | length 4.6
  Bottom Layer w0.3: R22.2@11.75,29.8 11.75,28.75 12.5,28 DA1.4@12.5,25.55
NetDA1_5: DA1.5 R52.2 R53.1 | length 10.7
  Top Layer w0.3: v1(12.75,22.75) 13.2,23.2 R53.1@13.2,25.25
  Bottom Layer w0.3: v1(12.75,22.75) 13.5,22.75 DA1.5@13.5,25.55 13.5,28 13,28.5 R52.2@13,29.8
NetDA1_11: DA1.11 R26.1 | length 4
  Bottom Layer w0.3: R26.1@14.5,11.95 DA1.11@14.5,15.95
NetDA1_12: DA1.12 R25.1 | length 4.2
  Bottom Layer w0.3: R25.1@13,11.95 13,12.75 13.5,13.25 DA1.12@13.5,15.95
NetDD1_36: DD1.36 R5.1 SRV.2 | length 10.9
  Top Layer w0.2: DD1.36@49.931,15.63 50.311,15.25 52,15.25 55.839,19.089 SRV.2@57.55,19.089
  Top Layer w0.3: R5.1@57.55,17.589 SRV.2@57.55,19.089
NetDD1_37: DD1.37 R9.2 | length 10.1
  Top Layer w0.2: DD1.37@49.986,16.35 52.595,16.35 55.7,19.455 55.7,20.45 56,20.75 R9.2@57.55,20.75 R9.2@57.45,20.85
NetR2_2: R2.2 R50.2@37.5,30.95 XP1.5 | length 3.9
  Top Layer w0.3: XP1.5@36.342,33.23 36.342,32.092 36,31.75 R2.2@36,30.95 R50.2@37.5,30.95
NetR3_2: R3.2 VD1.1 | length 3.6
  Top Layer w0.3: VD1.1@53.5,13.7 53.5,15 54,15.5 R3.2@55.55,15.5
NetR4_2: R4.2 R51.2 XP1.3 | length 7
  Top Layer w0.3: XP1.3@36.342,34.5 37.955,34.5 38.162,34.293 38.162,31.838 R4.2@39,31 ; R4.2@39,30.95 R51.2@40.5,30.95
NetR6_2: R6.2 XP1.1 | length 9.7
  Top Layer w0.3: XP1.1@36.342,35.77 37.955,35.77 38.742,34.983 38.742,32.45 39.192,32 41.75,32 42.25,31.5 R6.2@42.25,30.95
NetR7_1: R7.1 R8.2 VT1.1 | length 6
  Top Layer w0.3: R7.1@57.2,9.25 VT1.1@57.2,13.45 R8.2@59,13.45
NetR19_2: R19.2 R23.1 R52.1 | length 2.8
  Bottom Layer w0.3: R52.1@13,31.2 14.25,31.2 R19.2@14.3,31.25 R23.1@14.3,29.75
NetR28_2: R28.2 VD2.1 | length 1.7
  Top Layer w0.5: VD2.1@7.1,3.55 R28.2@8.85,3.55
NetR43_1: R43.1 XP5.5 | length 2.5
  Top Layer w0.3: XP5.5@19.5,1.3 19.55,1.35 R43.1@19.55,3.75
NetVD1_2: VD1.2 VT1.3 | length 3.7
  Top Layer w0.3: VD1.2@53.5,12.3 53.5,11.5 53.95,11.05 VT1.3@56.25,11.05
RO1(RS): DD1.47 DD3.1 | length 45
  Top Layer w0.2: DD1.47@49.986,21.35 50.75,21.35 52,22.6 v1(52,23.55)
  Top Layer w0.3: DD3.1@18.75,17.65 18.75,22 19.25,22.5 v1(20.75,22.5)
  Bottom Layer w0.3: v1(20.75,22.5) 21.25,23 27.461,23 30.911,26.45 50.65,26.45 52,25.1 v1(52,23.55)
SD: DD2.12 XS1.1 | length 10.8
  Top Layer w0.3: XS1.1@31.16,34.19 33.98,31.37 33.98,26.48 33.52,26.02 DD2.12@32.275,26.02
SD_TTL: DD1.14 DD2.8 R16.1 | length 18
  Top Layer w0.2: DD2.8@30.915,20.85 v1(37.842,20.85) DD1.14@43.436,20.85
  Top Layer w0.3: R16.1@37.837,15.25 v1(37.837,16.299)
  Bottom Layer w0.3: v1@37.842,16.399 v1(37.842,20.85)
SPI_FSS: DD1.38 XP2.6 | length 29.8
  Top Layer w0.2: XP2.6@49.75,37 49.75,37.75 50,38 52.75,38 53.1,37.65 53.1,27.14 55.35,24.89 55.35,19.6 52.6,16.85 DD1.38@49.986,16.85
SPI_RX: DD1.40 XP2.7 | length 18
  Top Layer w0.2: DD1.40@49.986,17.85 52.495,17.85 54.65,20.005 54.65,24.6 51.75,27.5 XP2.7@51.75,31.25
SPI_SCK: DD1.39 XP2.8 | length 25.1
  Top Layer w0.2: DD1.39@49.986,17.35 52.49,17.35 55,19.86 55,24.745 52.75,26.995 52.75,37.08 XP2.8@51.83,37.08
SPI_TX: DD1.41 XP2.5 | length 18.8
  Top Layer w0.2: XP2.5@49.7,31.95 49.7,28.95 54.3,24.35 54.3,20.15 52.5,18.35 DD1.41@49.986,18.35
SWCLK: DD1.8 R4.1 | length 13.6
  Top Layer w0.2: R4.1@39,29.55 39,24.75 39.15,24.6 44.906,24.6 45.711,23.795 DD1.8@45.711,22.125
SWDIO: DD1.9 R2.1 | length 16
  Top Layer w0.2: R2.1@36,29.55 36,24.806 36.556,24.25 44.761,24.25 45.211,23.8 DD1.9@45.211,22.125
TZ: C32.1 DA1.3 DD1.13 R20.2 R53.2 | length 50.6
  Top Layer w0.2: v1(41.75,22.25) 42.65,21.35 DD1.13@43.436,21.35
  Top Layer w0.3: v1(9.25,25.25) R53.2@11.8,25.25
  Bottom Layer w0.3: v1(9.25,25.25) C32.1@9.25,29.8 R20.2@10.5,29.8 10.5,29.25 11.5,28.25 DA1.3@11.5,25.55 11.5,22.75 14.75,19.5 20.024,19.5 20.3,19.776 20.3,19.8 22,21.5 39.75,21.5 40.5,22.25 v1(41.75,22.25)
UART_RX: DD1.45 XP2.1 | length 18.4
  Top Layer w0.2: XP2.1@45.75,32 45.75,29.75 46.6,28.9 48.6,28.9 53.6,23.9 53.6,22.6 51.35,20.35 DD1.45@49.986,20.35
UART_TX: DD1.44 XP2.2 | length 23.2
  Top Layer w0.2: XP2.2@45.711,36.25 45.642,36.25 45.642,34.108 46.75,33 46.75,29.75 47.25,29.25 48.745,29.25 53.95,24.045 53.95,22.45 51.35,19.85 DD1.44@49.986,19.85
UDC: C13.2 DD1.27 R21.2 | length 66.1
  Top Layer w0.2: DD1.27@45.211,15.575 45.211,17.461 v1(45.25,17.5)
  Top Layer w0.3: R21.2@13.125,29.425 13.05,29.5 12.525,29.5 12.525,32.475 12.13,32.87 12.13,37.848 13.082,38.8 41.814,38.8 43.55,37.064 43.55,29.45 44.5,28.5 v1(45,28.5) ; C13.2@13.25,28.2 R21.2@13.25,29.55
  INT1 w0.3: v1(45,28.5) 45.544,27.956 45.544,19.375 45.9,19.019 45.9,18.481 45.25,17.831 v1(45.25,17.5)
UDC_IN: R21.1 XS1.15 | length 4.1
  Top Layer w0.3: R21.1@13.25,30.7 13.25,34.66 XS1.15@13.38,34.79
pads on no net: DA1.1 DA1.2 DA1.7 DA1.8 DA1.9 DA1.10 DA1.13 DA1.15 DA1.16 DD3.10 VD3. VT1. VT2. VT3. VT4. VT5. VT6. XP1. XP4.0 XP4.6 XP5.0 XS1.10 XS1.12 ZQ1. ZQ1.2 ZQ1.4

## Polygon pours and split planes (outlines as drawn)
+5V(D) on INT1 "+5V(D)_L02_P005" (solid, remove dead copper, pour order 5): 15,3.334 14.834,3.5 9.5,3.5 9.5,-2.5 44,-2.5 44,6 19.25,6 19.25,31.3 34.8,31.3 34.8,39.25 7,39.25 7,31.3 15,31.3
+3.3V(D) on INT1 "+3.3V(D)_L02_P000" (solid, pour order 0): 20,30.7 35.6,30.7 35.6,39.25 54.5,39.25 54.5,30 60.5,30 cw(c60.5,29) 61.5,29 61.5,6.5 20,6.5
+3.3V(D) on Top Layer "+3.3V(D)_L01_P001" (solid, remove dead copper, pour order 1): 19.75,15.5 27.5,15.5 27.5,9.3 19.75,9.3
DGND on INT2 "DGND_L03_P010" (solid, pour order 10): 7,-4 7,0 1,0 cw(c1,1) 0,1 0,29 cw(c1,29) 1,30 7,30 7,40 54.5,40 54.5,30 60.5,30 cw(c60.5,29) 61.5,29 61.5,1 cw(c60.5,1) 60.5,0 54.5,0 54.5,-4 cw(c53.5,-4) 53.5,-5 8,-5 cw(c8,-4)
AGND on INT2 "AGND_L03_P008" (solid, remove dead copper, pour order 8): 15.25,20.5 22.5,20.5 22.5,17.5 12.25,17.5 12.25,8.25 39.75,8.25 39.75,14.75 43.5,14.75 43.5,7 41.25,4.75 19.25,4.75 19.25,2.5 10.5,2.5 7.6,5.4 7.6,40 15.25,40

## Keep-outs
Top Layer:
  lines w0.02: 1.4,3 ccw(c3.5,3) 5.6,3 5.6,6 ccw(c3.5,6) 1.4,6 1.4,3 ; 1.4,24 ccw(c3.5,24) 5.6,24 5.6,27 ccw(c3.5,27) 1.4,27 1.4,24 ; 55.9,3 ccw(c58,3) 60.1,3 60.1,6 ccw(c58,6) 55.9,6 55.9,3 ; 55.9,24 ccw(c58,24) 60.1,24 60.1,27 ccw(c58,27) 55.9,27 55.9,24
Bottom Layer:
  lines w0.02: 1.4,3 ccw(c3.5,3) 5.6,3 5.6,6 ccw(c3.5,6) 1.4,6 1.4,3 ; 1.4,24 ccw(c3.5,24) 5.6,24 5.6,27 ccw(c3.5,27) 1.4,27 1.4,24 ; 55.9,3 ccw(c58,3) 60.1,3 60.1,6 ccw(c58,6) 55.9,6 55.9,3 ; 55.9,24 ccw(c58,24) 60.1,24 60.1,27 ccw(c58,27) 55.9,27 55.9,24
Keep-Out Layer:
  the board outline again, w0.2

## Other copper
Top Layer:
  region net DGND: 24.05,7.65 24.05,5 24.05,2.6 26.45,2.6 26.45,7.65
INT2:
  rectangle net AGND: 16.4,2.5 19.2,3.9
Bottom Layer:
  rectangle net AGND: 21.5,17.5 23,20.5
  region net DGND: 24.4,5.5 24.4,4.7 17,4.7 17,-0.7 18,-0.7 18,2.6 26.9,2.6 26.9,5.5
  region net +5V(D): 15.1,0.5 15.1,8.6 23.2,8.6 23.2,5.7 15.9,5.7 15.9,0.5

## Text inside footprints (layer, text, board x,y; h text height)
XP4: Bottom Overlay "5" at 42.975,4.575 h1 r90; Bottom Overlay "1" at 38.8,4.3 h1 r90
XP5: Bottom Overlay "9" at 24,4.327 h2 r90; Bottom Overlay "1" at 16.05,4.2 h2 r90